# KiCad board arena_10_of_10_v1r1.kicad_pcb (continued)
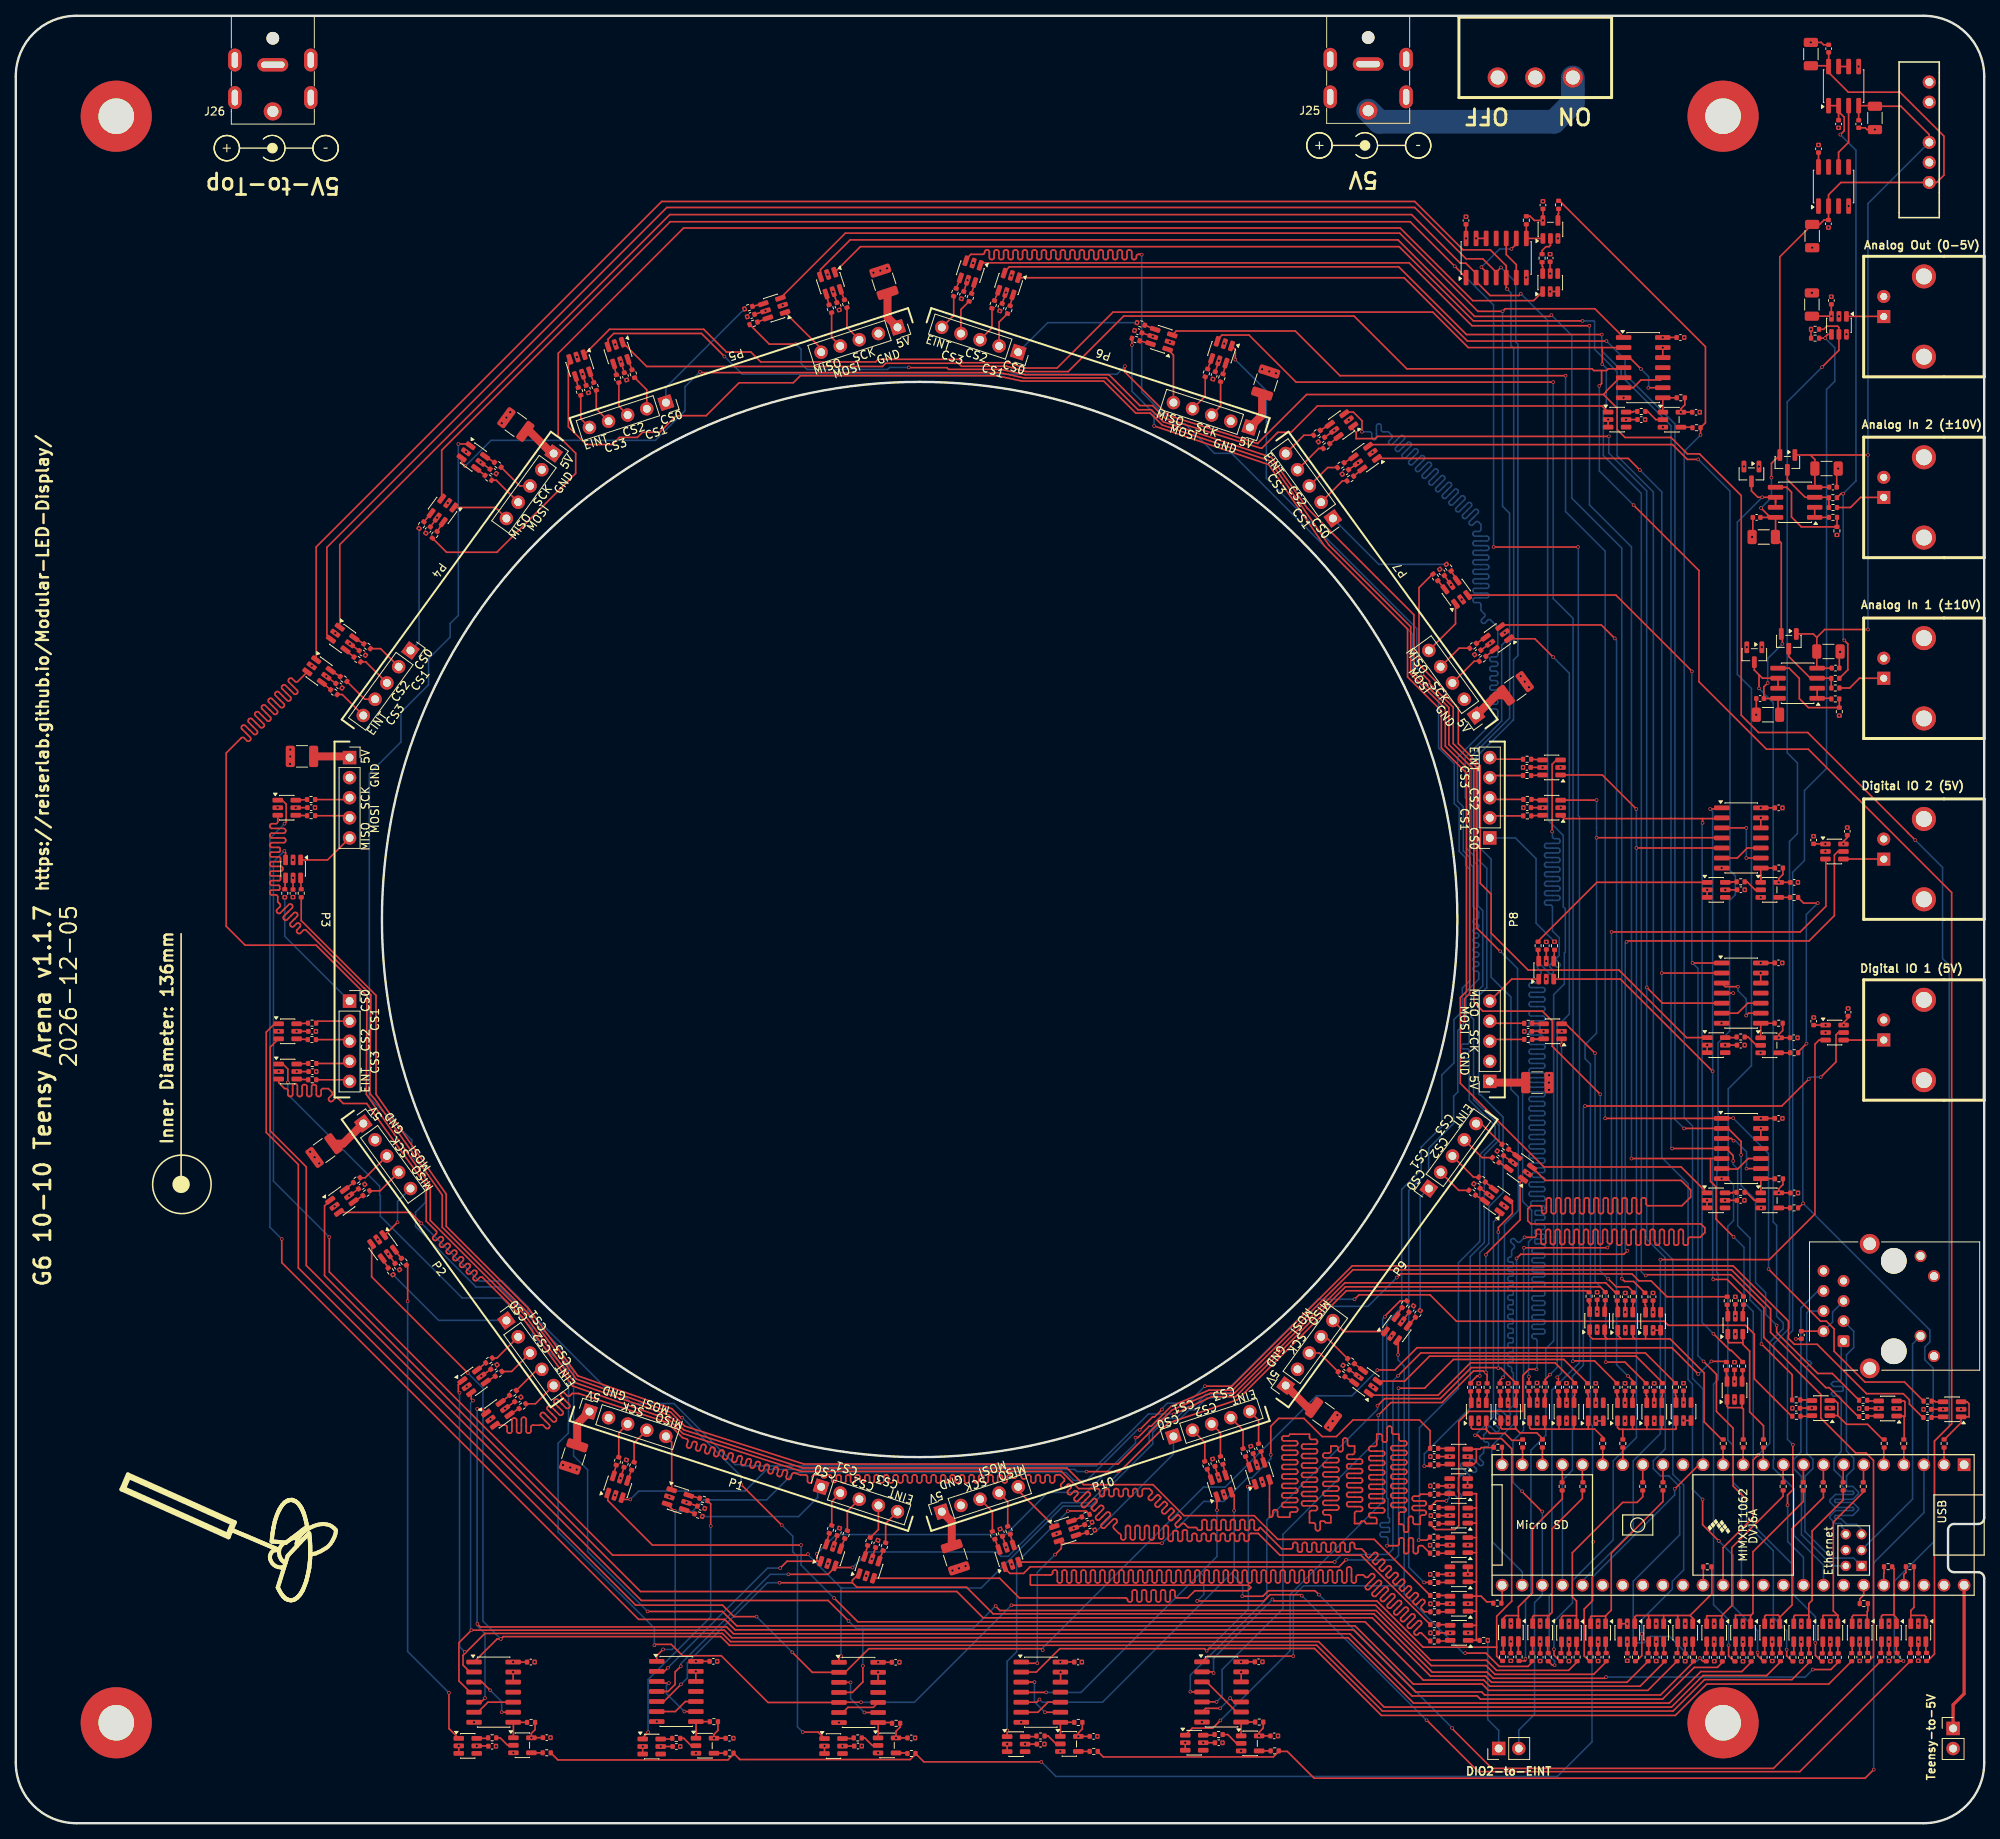
[diagram p0: board, top side]
## Nets (continued)
Net-(R43-Pad1): R43.1 U13.6
Net-(R44-Pad1): R44.1 U13.4
Net-(R45-Pad1): R45.1 U14.6
Net-(R46-Pad1): R46.1 U14.4
Net-(R47-Pad1): R47.1 U15.6
Net-(R48-Pad1): R48.1 U16.6
Net-(R49-Pad1): R49.1 U16.4
Net-(R50-Pad1): R50.1 U17.6
Net-(R51-Pad1): R51.1 U17.4
Net-(R52-Pad1): R52.1 U18.6
Net-(R53-Pad1): R53.1 U18.4
Net-(R54-Pad1): R54.1 U19.6
Net-(R55-Pad1): R55.1 U19.4
Net-(R56-Pad1): R56.1 U20.6
Net-(R57-Pad1): R57.1 U20.4
Net-(R58-Pad1): R58.1 U21.6
Net-(R59-Pad1): R59.1 U21.4
Net-(R60-Pad1): R60.1 U22.6
Net-(R61-Pad1): R61.1 U22.4
Net-(R62-Pad1): R62.1 U23.6
Net-(R63-Pad1): R63.1 U23.4
Net-(R64-Pad1): R64.1 U24.6
Net-(R65-Pad1): R65.1 U24.4
Net-(R66-Pad1): R66.1 U25.6
Net-(R67-Pad1): R67.1 U25.4
Net-(R68-Pad1): R68.1 U26.6
Net-(R69-Pad1): R69.1 U26.4
Net-(R70-Pad1): R70.1 U27.6
Net-(R71-Pad1): R71.1 U27.4
Net-(R72-Pad1): R72.1 U28.6
Net-(R73-Pad1): R73.1 U28.4
Net-(R74-Pad1): R74.1 U29.6
Net-(R75-Pad1): R75.1 U29.4
Net-(R76-Pad1): R76.1 U30.6
Net-(R77-Pad1): R77.1 U30.4
Net-(R78-Pad1): R78.1 U31.6
Net-(R79-Pad1): R79.1 U31.4
Net-(R80-Pad1): R80.1 U32.6
Net-(R81-Pad1): R81.1 U32.4
Net-(R82-Pad1): R82.1 U33.6
Net-(R83-Pad1): R83.1 U33.4
Net-(R84-Pad1): R84.1 U34.6
Net-(R85-Pad1): R85.1 U34.4
Net-(R86-Pad1): R86.1 U35.6
Net-(R87-Pad1): R87.1 U35.4
Net-(R88-Pad1): R88.1 U36.6
Net-(R89-Pad1): R89.1 U36.4
Net-(R90-Pad1): R90.1 U37.6
Net-(R91-Pad1): R91.1 U37.4
Net-(R92-Pad1): R92.1 U38.6
Net-(R93-Pad1): R93.1 U39.6
Net-(R94-Pad1): R94.1 U39.4
Net-(R95-Pad1): R95.1 U40.6
Net-(R96-Pad1): R96.1 U40.4
Net-(R97-Pad1): R97.1 U41.6
Net-(R98-Pad1): R98.1 U43.6
Net-(R99-Pad1): R99.1 U42.6
Net-(R100-Pad1): R100.1 U42.4
Net-(R101-Pad1): R101.1 U43.4
Net-(R102-Pad1): R102.1 U44.6
Net-(R103-Pad1): R103.1 U44.4
Net-(R104-Pad1): R104.1 U45.6
Net-(R105-Pad1): R105.1 U45.4
Net-(R106-Pad1): R106.1 U47.6
Net-(R107-Pad1): R107.1 U46.6
Net-(R108-Pad1): R108.1 U46.4
Net-(R109-Pad1): R109.1 U47.4
Net-(R110-Pad1): R110.1 U48.6
Net-(R111-Pad1): R111.1 U48.4
Net-(R112-Pad1): R112.1 U49.6
Net-(R113-Pad1): R113.1 U49.4
Net-(R114-Pad1): R114.1 U51.6
Net-(R115-Pad1): R115.1 U50.6
Net-(R116-Pad1): R116.1 U50.4
Net-(R117-Pad1): R117.1 U51.4
Net-(R118-Pad1): R118.1 U52.6
Net-(R119-Pad1): R119.1 U52.4
Net-(R120-Pad1): R120.1 U53.6
Net-(R121-Pad1): R121.1 U53.4
Net-(R122-Pad1): R122.1 U55.6
Net-(R123-Pad1): R123.1 U54.6
Net-(R124-Pad1): R124.1 U54.4
Net-(R125-Pad1): R125.1 U55.4
Net-(R126-Pad1): R126.1 U56.6
Net-(R127-Pad1): R127.1 U56.4
Net-(R128-Pad1): R128.1 U57.6
Net-(R129-Pad1): R129.1 U57.4
Net-(R130-Pad1): R130.1 U59.6
Net-(R131-Pad1): R131.1 U58.6
Net-(R132-Pad1): R132.1 U58.4
Net-(R133-Pad1): R133.1 U59.4
Net-(R134-Pad1): R134.1 U60.6
Net-(R135-Pad1): R135.1 U60.4
Net-(R136-Pad1): R136.1 U61.6
Net-(R137-Pad1): R137.1 U61.4
Net-(R138-Pad1): R138.1 U63.6
Net-(R139-Pad1): R139.1 U62.6
Net-(R140-Pad1): R140.1 U62.4
Net-(R141-Pad1): R141.1 U63.4
Net-(R142-Pad1): R142.1 U64.6
Net-(R143-Pad1): R143.1 U64.4
Net-(R144-Pad1): R144.1 U65.6
Net-(R145-Pad1): R145.1 U65.4
Net-(R146-Pad1): R146.1 U67.6
Net-(R147-Pad1): R147.1 U66.6
Net-(R148-Pad1): R148.1 U66.4
Net-(R149-Pad1): R149.1 U67.4
Net-(R150-Pad1): R150.1 U68.6
Net-(R151-Pad1): R151.1 U68.4
Net-(R152-Pad1): R152.1 U69.6
Net-(R153-Pad1): R153.1 U69.4
Net-(R154-Pad1): R154.1 U71.6
Net-(R155-Pad1): R155.1 U70.6
Net-(R156-Pad1): R156.1 U70.4
Net-(R157-Pad1): R157.1 U71.4
Net-(R158-Pad1): R158.1 U72.6
Net-(R159-Pad1): R159.1 U72.4
Net-(R160-Pad1): R160.1 U73.6
Net-(R161-Pad1): R161.1 U73.4
Net-(R162-Pad1): R162.1 U75.6
Net-(R163-Pad1): R163.1 U74.6
Net-(R164-Pad1): R164.1 U74.4
Net-(R165-Pad1): R165.1 U75.4
Net-(R166-Pad1): R166.1 U76.6
Net-(R167-Pad1): R167.1 U76.4
Net-(R168-Pad1): R168.1 U77.6
Net-(R169-Pad1): R169.1 U77.4
Net-(R170-Pad1): R170.1 U79.6
Net-(R171-Pad1): R171.1 U78.6
Net-(R172-Pad1): R172.1 U78.4
Net-(R173-Pad1): R173.1 U79.4
Net-(R174-Pad1): R174.1 U80.6
Net-(R175-Pad1): R175.1 U80.4
Net-(R176-Pad1): R176.1 U81.6
Net-(R177-Pad1): R177.1 U81.4
Net-(R186-Pad2): R186.2 U88.4
Net-(R187-Pad2): R187.2 U88.1 U89.8
Net-(R188-Pad1): R188.1 U88.2
Net-(R188-Pad2): R188.2 U90.6
Net-(R189-Pad2): R189.2 U92.4
Net-(R190-Pad2): R190.2 U91.8 U92.1
Net-(R191-Pad1): R191.1 U92.2
Net-(R191-Pad2): R191.2 U93.6
Net-(R192-Pad2): R192.2 U96.4
Net-(R193-Pad2): R193.2 U94.8 U96.1
Net-(R194-Pad1): R194.1 U96.2
Net-(R194-Pad2): R194.2 U97.6
Net-(R195-Pad2): R195.2 U100.4
Net-(R196-Pad2): R196.2 U95.8 U100.1
Net-(R197-Pad1): R197.1 U100.2
Net-(R197-Pad2): R197.2 U101.6
Net-(R198-Pad2): R198.2 U104.4
Net-(R199-Pad2): R199.2 U98.8 U104.1
Net-(R200-Pad1): R200.1 U104.2
Net-(R200-Pad2): R200.2 U105.6
Net-(R201-Pad2): R201.2 U108.4
Net-(R202-Pad2): R202.2 U99.8 U108.1
Net-(R203-Pad1): R203.1 U108.2
Net-(R203-Pad2): R203.2 U109.6
Net-(R204-Pad2): R204.2 U112.4
Net-(R205-Pad2): R205.2 U102.8 U112.1
Net-(R206-Pad1): R206.1 U112.2
Net-(R206-Pad2): R206.2 U113.6
Net-(R207-Pad2): R207.2 U116.4
Net-(R208-Pad2): R208.2 U103.8 U116.1
Net-(R209-Pad1): R209.1 U116.2
Net-(R209-Pad2): R209.2 U117.6
Net-(R210-Pad2): R210.2 U120.4
Net-(R211-Pad2): R211.2 U106.8 U120.1
Net-(R212-Pad1): R212.1 U120.2
Net-(R212-Pad2): R212.2 U121.6
Net-(R213-Pad2): R213.2 U124.4
Net-(R214-Pad2): R214.2 U107.8 U124.1
Net-(R215-Pad1): R215.1 U124.2
Net-(R215-Pad2): R215.2 U125.6
Net-(U1-0_RX1_CRX2_CS1): R1.2 U1.2
Net-(U1-2_OUT2): R2.2 U1.4
Net-(U1-3_LRCLK2): R3.2 U1.5
Net-(U1-4_BCLK2): R4.2 U1.6
Net-(U1-5_IN2): R5.2 U1.7
Net-(U1-6_OUT1D): R6.2 U1.8
Net-(U1-7_RX2_OUT1A): R7.2 U1.9
Net-(U1-8_TX2_IN1): R8.2 U1.10
Net-(U1-9_OUT1C): R9.2 U1.11
Net-(U1-10_CS_MQSR): R10.2 U1.12
Net-(U1-11_MOSI_CTX1): R11.2 U1.13
Net-(U1-13_SCK_LED): R24.2 U1.35
Net-(U1-21_A7_RX5_BCLK1): R23.2 U1.43
Net-(U1-22_A8_CTX1): R22.2 U1.44
Net-(U1-23_A9_CRX1_MCLK1): R21.2 U1.45
Net-(U1-24_A10_TX6_SCL2): R12.2 U1.16
Net-(U1-25_A11_RX6_SDA2): R13.2 U1.17
Net-(U1-26_A12_MOSI1): R14.2 U1.18
Net-(U1-27_A13_SCK1): R15.2 U1.19
Net-(U1-28_RX7): R16.2 U1.20
Net-(U1-29_TX7): R17.2 U1.21
Net-(U1-30_CRX3): R18.2 U1.22
Net-(U1-31_CTX3): R19.2 U1.23
Net-(U1-32_OUT1B): R20.2 U1.24
Net-(U1-33_MCLK2): R25.2 U1.25
Net-(U1-34_RX8): U1.26 U3.5
Net-(U1-36_CS): U1.28 U2.5
Net-(U83A-+): D3.3 R182.2 R184.1 U83.3
Net-(U83A--): R180.2 U83.1 U83.2
Net-(U83B-+): R178.2 R180.1 U83.5
Net-(U84-NR): C99.1 U84.8
Net-(U84-Vout): U84.6 U87.3
Net-(U86A-+): D4.3 R183.2 R185.1 U86.3
Net-(U86A--): R181.2 U86.1 U86.2
Net-(U86B-+): R179.2 R181.1 U86.5
Net-(U87B--): U87.6 U87.7
Net-(U89-Pad3): U89.3 U89.9
Net-(U89-Pad10): U89.6 U89.10
Net-(U91-Pad3): U91.3 U91.9
Net-(U91-Pad10): U91.6 U91.10
Net-(U94-Pad3): U94.3 U94.9
Net-(U94-Pad10): U94.6 U94.10
Net-(U95-Pad3): U95.3 U95.9
Net-(U95-Pad10): U95.6 U95.10
Net-(U98-Pad3): U98.3 U98.9
Net-(U98-Pad10): U98.6 U98.10
Net-(U99-Pad3): U99.3 U99.9
Net-(U99-Pad10): U99.6 U99.10
Net-(U102-Pad3): U102.3 U102.9
Net-(U102-Pad10): U102.6 U102.10
Net-(U103-Pad3): U103.3 U103.9
Net-(U103-Pad10): U103.6 U103.10
Net-(U106-Pad3): U106.3 U106.9
Net-(U106-Pad10): U106.6 U106.10
Net-(U107-Pad3): U107.3 U107.9
Net-(U107-Pad10): U107.6 U107.10

Pads without a net: J1 7 11 12; SW1 3; U1 30 31 32 33 38 39 42; U6 4; U9 4; U12 4; U15 4; U38 4; U41 4; U84 1 3 5 7; U89 11; U90 4; U91 11; U93 4; U94 11; U95 11; U97 4; U98 11; U99 11; U101 4; U102 11; U103 11; U105 4; U106 11; U107 11; U109 4; U113 4; U117 4; U121 4; U125 4

## Via types
v1: diameter 0.45, hole 0.3, Top to Bottom, 666 vias

## Routing (per net, layer and track width the routed paths; a pad name or vN(x,y) marks a point on that pad's centre or on a via; arc(x,y) is an arc through that point)
+3.3V: length 188.6
  Top w0.2: U22.5 v1(218.42,22.95) 218.42,21.44 C22.1 ; C114.1 110.78,20.35 v1(109.05,20.35) ; C133.1 193.12,202.72 U100.5 193.11,202.72 v1(193.11,202.72) 192.03,202.72 191.5,203.25 R196.1 ; 142.39,188.5 v1(143.78,188.04) U63.5 ; v1(58.29,9.78) 59.72,9.78 C113.1 ; 58.78,172.12 v1(58.78,172.12) 59.98,171.26 ; R187.1 88.79,11.73 88.29,11.23 v1(88.29,10.75) 89.76,10.75 C130.1 ; U90.5 v1(81.55,9.7) C111.1 ; v1(181.35,31.48) 181.34,31.47 C41.1 ; 86.21,40.1 U43.5 v1(84.81,40.57) ; 185.26,148.36 v1(186.44,149.24) ; U24.5 217.44,64.13 v1(217.44,64.13) 217.44,65.61 C24.1 ; v1(228.84,123.85) U3.1 228.82,123.87 C141.1 ; C35.1 233.17,21.49 v1(233.17,22.95) U35.5 ; 207.04,66.11 v1(207.04,64.63) 207.05,64.63 U9.5 ; U109.5 v1(216.15,78.78) 217.63,78.78 C121.1 ; R205.1 223.44,100.25 222.93,99.74 v1(222.93,99.35) ; C36.1 181.33,35.16 v1(181.34,35.17) ; C66.1 v1(71.67,183.28) U61.5 ; 108.72,34.87 v1(108.25,33.44) ; C118.1 210.02,187.92 v1(208.27,187.92) 208.27,187.92 U98.14 ; C13.1 203.5,54.67 v1(203.5,53.18) U13.5 ; C76.1 v1(166.73,176.16) ; U8.5 v1(203.53,64.65) 203.53,66.11 ; C5.1 211.11,21.46 v1(211.11,22.95) U5.5 ; C124.1 222.44,128.43 U103.14 v1(220.67,128.43) ; C34.1 236.88,21.48 U34.5 v1(236.87,22.95) ; 111.83,12.64 111.83,12.15 111.31,11.63 v1(111.31,10.79) C132.1 ; C78.1 v1(193.2,100.16) ; C128.1 133.84,20.39 v1(132.09,20.39) U107.14 ; U15.5 v1(210.9,53.21) 210.9,54.69 C15.1 ; U14.5 v1(207.19,53.19) C14.1 ; v1(227.02,188.95) 227.02,187.84 R26.1 ; C80.1 v1(193.09,128.44) ; U55.5 v1(53.28,165.13) 52.42,163.95 ; v1(228.87,100.95) 227.37,100.95 C140.1 ; C88.1 v1(125.23,34.89) ; U95.14 v1(183.39,200.45) C116.1 ; 217.68,118.06 217.67,118.05 v1(216.18,118.05) ; 76.92,45.04 v1(76.47,43.63) U42.5 ; 179.9,38.91 v1(181.34,38.91) ; C50.1 v1(58.87,56.55) U48.5 ; U20.5 v1(225.78,22.95) 225.78,21.44 225.79,21.43 ; v1(150.16,10.18) 151.63,10.18 C127.1 ; C40.1 v1(181.35,27.75) U40.5 ; U30.5 v1(188.71,53.19) 188.71,54.65 C30.1 ; v1(220.68,89.15) C120.1 ; R202.1 223.47,80.77 222.94,80.24 v1(222.94,79.73) ; C81.1 v1(193.08,133.53) ; C137.1 224.4,119 v1(222.94,119) 222.94,119.48 223.47,120.01 223.47,120.81 ; C54.1 U51.5 v1(35.06,119.57) ; 168.62,57.34 v1(169.82,56.48) ; v1(181.32,42.63) 181.3,42.66 C38.1 ; v1(222.94,79.73) 222.94,79.73 U108.5 ; v1(222.94,79.73) 224.4,79.73 C135.1 ; U11.5 196.11,53.19 v1(196.11,53.18) 196.11,54.67 C11.1 ; C10.1 192.4,54.68 v1(192.4,53.2) U10.5 ; C21.1 222.11,21.48 v1(222.11,22.95) ; U47.5 v1(47.1,71.99) C49.1 ; D1.2 v1(218.54,171.6) ; v1(222.93,99.35) U112.5 ; v1(222.93,99.35) 224.35,99.35 C136.1 ; C91.1 v1(156.93,45.32) ; U59.5 v1(94.8,191.29) C64.1 ; 76.95,183.45 v1(76.5,184.86) 76.5,184.86 ; v1(194.04,196) 194.03,196.01 C117.1 ; C85.1 v1(186.35,79.43) ; v1(175.31,63.47) 176.19,64.65 ; U29.5 189.06,22.99 v1(189.06,22.99) C29.1 ; C23.1 214.77,21.46 U23.5 214.77,22.96 v1(214.77,22.96) ; R214.1 134.88,11.93 134.37,11.42 v1(134.37,10.97) U124.5 135.81,10.98 C139.1 ; v1(207.44,22.95) U4.5 C4.1 ; C31.1 185,54.66 v1(185,53.18) U31.5 ; C53.1 v1(35.4,128.44) ; 151.68,183.57 v1(152.13,184.97) ; D2.2 v1(218.9,148.75) ; v1(203.79,22.95) C6.1 ; U18.5 227.12,52.51 v1(227.12,52.51) 225.65,52.51 C18.1 ; C75.1 v1(169.73,172.05) ; U17.5 235.57,52.46 v1(235.57,52.46) 234.08,52.46 C17.1 ; C27.1 196.42,21.47 v1(196.42,22.93) ; C56.1 v1(35.52,95.07) ; U19.5 229.45,22.95 v1(229.44,22.94) 229.44,21.47 C19.1 ; C39.1 181.38,24.07 v1(181.38,24.08) ; U32.5 v1(181.33,46.37) C32.1 ; C7.1 199.98,66.19 U7.5 v1(199.97,64.7) ; v1(192.76,22.97) 192.76,21.48 C28.1 ; C70.1 v1(125.2,193.6) ; U26.5 200.1,22.95 v1(200.09,22.95) 200.09,21.48 C26.1 ; v1(181.5,156.62) U67.5 C74.1 ; C51.1 v1(61.87,52.44) 61.87,52.44 ; C131.1 v1(65.2,10.81) 65.2,11.37 65.67,11.84 R190.1 ; C129.1 v1(127.63,10) ; U46.5 v1(42.16,79.36) 43.34,80.24 ; C63.1 v1(103.37,193.71) ; C16.1 242.22,52.35 v1(243.72,52.35) U16.5 ; C12.1 199.8,54.67 v1(199.8,53.18) U12.5 ; 151.65,45.15 v1(152.09,43.74) ; v1(220.67,108.8) 222.42,108.8 C122.1 ; C134.1 211.99,178.47 U104.5 v1(210.56,178.47) 210.56,178.89 211.06,179.39 R199.1 ; v1(104.54,9.75) C115.1 ; v1(240.59,22.96) U33.5 C33.1 ; C79.1 v1(193.54,109.04) ; v1(103.4,35) C45.1 ; C55.1 v1(35.51,100.16) ; R211.1 157.75,12.03 157.26,11.54 157.26,11.48 157.23,11.45 U120.5 157.22,11.05 v1(157.22,11.05) 158.65,11.05 C138.1 ; C60.1 v1(42.25,149.17) ; C61.1 v1(39.27,145.05) ; C86.1 v1(189.34,83.55) ; C119.1 U105.5 v1(203.63,177.53) ; 119.88,193.73 v1(120.35,195.16) ; C25.1 217.34,57.34 v1(217.34,55.88) 217.35,55.88 217.35,55.88 ; v1(86,20.47) C110.1 ; v1(216.17,98.41) C123.1 ; v1(133.78,37.32) C89.1 ; v1(62.9,20.39) C112.1 ; v1(154.95,20.41) C126.1
+5V: length 54.4
  Top w0.2: v1(229.6,190.59) U85.3 229.59,190.6 ; 227.13,190.61 229.58,190.61 229.59,190.6 ; 229.59,190.6 C98.1 ; v1(231.14,100.95) 231.14,101.27 231.71,101.84 C2.1 ; v1(231.12,123.85) 231.12,124.18 231.61,124.67 C3.1
  Top w1: J19.1 186.54,93.67 C77.2 ; J7.1 41.39,85.94 C47.2 ; C72.2 187.21,142.66 J17.1 ; C82.2 163.38,52.56 J21.1 ; C67.2 157.6,178.08 J15.1 ; C62.2 110.24,190.46 J13.1 ; C52.2 42.06,134.93 J9.1 ; C42.2 71,50.52 J5.1 ; C87.2 118.36,38.14 J23.1 ; C57.2 64.99,176.04 67.79,173.24
+15V: length 119
  Top w0.2: 222.53,162.69 C96.1 ; 222.53,162.69 C96.1 ; 222.53,162.69 222.54,162.69 222.54,165.16 ; C96.1 223.26,161.94 D4.2 223.4,150.28 v1(223.4,149.16) ; C94.1 221.58,165.16 ; 221.58,165.16 221.58,165.47 v1(220.7,166.34) ; 221.58,165.16 222.53,165.16 222.53,165.16 ; v1(221.54,144.22) 221.06,143.73 C101.1 222.82,142.25 U86.8 222.85,140.4 C103.1 ; v1(222.02,170.19) 222.02,171.99 D3.2 223.08,198.13 C92.1 228.11,202.22 228.67,202.78 C93.1 229.24,202.79 U84.2 229.24,205.96 230.8,207.52 U82.6 242.91,207.52 243.83,208.44 243.83,213.38 238.27,218.94 231.74,218.94 229.24,221.45 U87.8 ; 222.53,165.16 222.54,165.16 ; 222.53,165.16 222.54,165.16 ; C105.1 229.25,222.21 U87.8 ; U87.8 229.13,222.29 C108.1
  Bottom w0.2: v1(221.54,144.22) 221.54,147.31 v1(223.4,149.16) ; v1(220.7,166.34) 222.02,167.66 v1(222.02,170.19)
-15V: length 108.9
  Top w0.2: 227.75,149.98 227.31,150.42 D4.1 ; 227.75,149.98 C104.1 227.75,146.14 U86.4 229.63,146.09 C102.1 ; 227.75,149.98 228.75,150.98 v1(234.22,150.98) ; U83.4 229.3,168.97 229.3,168.98 ; U83.4 227.49,168.97 ; U83.4 227.49,168.97 ; 229.3,168.98 C95.1 229.3,168.98 ; 227.49,168.97 227.51,169 C97.1 227.51,172.48 226.94,173.05 ; C106.1 233.05,215.41 U87.4 235.03,217.24 C109.1 238.39,217.16 241.97,213.58 U82.4 ; 226.94,173.05 v1(234.22,173.05) ; 226.94,173.05 D3.1
  Bottom w0.2: v1(234.22,150.98) v1(234.22,173.05) 234.22,204.85 U82.4
/Analog IO/10V_REF: length 78.4
  Top w0.2: 230.5,216.25 U87.2 U87.1 ; 230.5,216.25 C107.1 ; 230.5,216.25 230.74,216.25 231.22,215.78 231.22,214.06 v1(230.73,213.57) ; R182.1 230.82,168.17 v1(231.08,168.17) ; v1(231.23,149.6) 231.68,149.16 231.68,145.88 R183.1
  Bottom w0.2: v1(231.23,149.6) 231.08,149.75 v1(231.08,168.17) 232.69,169.78 232.7,169.78 232.7,211.6 v1(230.73,213.57)
/Teensy/VIN: length 18.7
  Top w0.4: U1.48 246.38,16.37 244.99,14.98 J2.1
GND: length 44.6
  Top w0.2: 48.52,70.01 v1(48.52,70.01) ; U20.2 v1(225.79,25.23) ; 188.28,150.58 v1(188.29,150.58) ; 104.13,191.4 v1(104.12,191.4) ; U40.2 v1(183.63,27.76) ; C125.2 v1(218.63,118.06) ; U36.2 v1(183.62,35.18) ; U79.2 v1(131.62,36.61) ; U124.3 v1(132.09,9.08) ; C94.2 219.66,162.77 C96.2 v1(219.57,162.68) ; C123.2 v1(218.64,98.41) ; U76.2 v1(188.18,78.1) ; 171.57,173.39 v1(171.57,173.39) ; v1(178.84,35.16) 178.84,35.16 C36.2 ; C27.2 v1(196.41,20.5) ; C116.2 v1(183.38,203.19) ; C129.2 v1(130.07,10) ; 41.26,143.59 v1(41.25,143.59) ; v1(106.98,9.76) C115.2 ; U117.3 213.89,117.11 v1(213.89,118.05) U117.2 ; 124.47,37.2 v1(124.47,37.2) ; v1(183.65,24.08) 183.66,24.08 U39.2 ; v1(240.58,20.54) 240.58,20.54 C33.2 ; 145.95,187.33 v1(145.94,187.34) ; U38.2 v1(183.59,42.63) 183.59,43.57 U38.3 ; U75.2 v1(173.97,61.63) ; C38.2 178.88,42.66 v1(178.87,42.66) ; U25.2 v1(217.34,53.6) ; 136.1,38.06 v1(136.09,38.06) ; U103.12 220.67,125.89 v1(220.67,127.16) 220.68,127.16 ; U33.2 240.6,25.24 v1(240.59,25.24) ; C137.2 225.37,119 v1(225.36,119) ; 199.97,67.16 v1(199.97,67.16) ; 72.42,180.93 v1(72.42,180.93) ; 147.88,10.18 v1(147.88,10.18) 147.88,9.24 147.88,9.23 ; C34.2 v1(236.88,20.53) ; U85.6 v1(231.5,188.32) ; U107.12 132.12,17.86 v1(132.12,19.1) 132.11,19.11 U107.13 ; U12.2 v1(199.81,50.89) 200.74,50.89 U12.3 ; v1(196.1,55.66) 196.1,55.66 C11.2 ; U23.2 v1(214.77,25.23) ; U65.2 v1(121.06,197.33) ; C29.2 v1(189.05,20.53) ; C110.2 v1(88.69,20.47) ; U94.13 v1(109.04,19.09) 109.04,17.82 U94.12 ; U53.2 v1(33.24,95.08) ; 152.83,187.14 v1(152.83,187.14) ; 227,225.24 227,225.24 v1(226.99,225.24) 228.31,225.24 228.62,224.94 C105.2 ; U113.3 213.89,97.47 v1(213.89,98.41) U113.2 ; 210.9,50.93 210.89,50.93 v1(210.89,50.93) 211.85,50.93 211.85,50.93 ; U41.3 183.62,32.42 v1(183.62,31.48) U41.2 ; 152.8,41.58 v1(152.79,41.58) ; U102.12 220.66,106.27 v1(220.66,107.53) U102.13 ; 136.78,10.98 v1(136.78,10.98) ; C90.2 v1(151.35,46.07) ; C68.2 v1(151.39,182.65) ; 102.66,195.87 v1(102.66,195.87) ; v1(218.42,20.48) C22.2 ; U89.12 85.99,17.94 v1(85.99,19.2) U89.13 ; v1(192.4,50.91) 192.39,50.92 192.39,50.93 ; C56.2 v1(37.99,95.06) ; C80.2 v1(190.65,128.43) ; C70.2 v1(124.42,191.25) ; U104.3 v1(208.29,176.57) ; C78.2 v1(190.77,100.15) ; C23.2 v1(214.79,20.49) ; U31.2 v1(185.02,50.92) ; 60.85,57.98 v1(60.85,57.98) ; C30.2 v1(188.72,55.63) ; 213.88,77.83 U109.2 v1(213.87,78.78) ; U57.2 v1(37.42,146.39) ; U105.3 201.36,176.59 v1(201.36,177.54) 201.37,177.54 U105.2 ; v1(183.6,46.37) 183.6,46.37 U32.2 ; C126.2 v1(157.64,20.42) ; U13.2 v1(203.5,50.88) ; C141.2 v1(227.35,124.83) ; v1(212.94,178.47) 212.95,178.46 C134.2 ; U28.2 v1(192.76,25.25) ; U100.3 195.02,200.45 v1(195.02,200.45) ; C122.2 v1(223.38,108.81) ; U92.3 v1(62.92,8.91) ; U55.2 v1(54.62,166.97) ; C13.2 v1(203.5,55.64) ; v1(229.46,25.23) 229.46,25.23 U19.2 ; v1(111.74,20.36) C114.2 ; 70.97,185.44 v1(70.96,185.45) ; U101.3 194.99,193.73 v1(194.04,193.73) U101.2 ; U6.2 v1(203.79,25.23) 202.85,25.23 U6.3 ; v1(211.11,20.5) 211.12,20.5 C5.2 ; C9.2 v1(207.04,67.07) ; C127.2 v1(152.6,10.18) ; C18.2 v1(224.66,52.49) ; U85.2 v1(230.55,190.59) ; C10.2 v1(192.37,55.69) ; C140.2 v1(227.36,101.91) ; U44.2 v1(102.69,32.84) ; U102.7 v1(215.7,101.18) ; v1(223.41,89.14) 223.4,89.15 C120.2 ; v1(56.01,9.78) U93.2 U93.3 ; U99.7 v1(215.72,81.53) ; v1(79.28,9.7) 79.28,9.7 79.28,8.75 ; C85.2 v1(184.38,80.87) ; C31.2 v1(184.99,55.63) ; 82.65,41.27 v1(82.65,41.27) ; v1(207.43,25.23) 207.44,25.22 U4.2 ; v1(222.12,20.51) C21.2 ; U98.12 U98.13 v1(208.27,186.64) ; v1(227.96,212.27) 227.96,212.27 C99.2 ; 207.07,62.35 U9.3 ; 207.07,62.35 v1(207.08,62.34) ; 207.07,62.35 U9.2 ; 166.56,50.83 v1(166.53,50.86) ; C46.2 v1(109.01,35.78) ; v1(199.97,62.42) 199.97,62.42 U7.2 ; C69.2 v1(141.47,188.8) ; C3.2 v1(231.61,125.94) ; U116.3 v1(220.66,117.1) ; U26.2 v1(200.1,25.23) ; U103.7 v1(215.72,120.81) ; C81.2 v1(190.6,133.54) ; C58.2 v1(60.75,170.7) ; v1(220.65,97.45) 220.65,97.45 U112.3 ; C107.2 v1(230.5,214.44) ; C1.2 225.11,61.27 v1(225.1,61.26) ; C62.1 v1(109.33,196.37) ; v1(113.72,10.79) C132.2 ; U88.3 v1(86.01,8.85) ; 125.94,32.73 v1(125.93,32.73) ; 220.68,77.83 220.69,77.83 v1(220.7,77.82) ; C92.2 v1(227.17,199.28) ; C59.2 v1(51.85,163.17) ; U8.2 v1(203.53,62.37) ; v1(217.34,58.31) C25.2 ; C84.2 v1(176.75,65.44) ; U52.2 v1(33.23,100.16) ; 171.66,55.15 v1(171.65,55.15) ; U59.2 v1(96.98,191.99) ; C79.2 v1(193.55,111.47) ; U64.2 v1(125.9,195.76) ; C35.2 v1(233.18,20.52) ; 190.81,144.39 v1(190.81,144.39) ; U29.2 v1(189.06,25.26) ; C133.2 v1(193.12,205.13) ; C54.2 v1(35.05,117.13) ; v1(188.71,50.92) 188.72,50.92 U30.2 ; 220.68,86.61 220.67,86.61 v1(220.67,87.88) U99.13 ; 195.48,100.16 v1(195.5,100.15) ; U125.3 U125.2 v1(125.36,10.01) ; U21.2 v1(222.11,25.23) ; 70.09,44.98 70.1,44.98 v1(70.11,44.99) ; C102.2 230.6,148.05 v1(230.7,148.15) C104.2 ; v1(196.43,25.22) 196.42,25.21 U27.2 ; 180.08,158.59 v1(180.07,158.6) ; U91.12 62.89,17.85 v1(62.89,19.12) 62.89,19.12 U91.13 ; v1(220.43,171.6) 220.44,171.6 D1.1 ; C118.2 v1(210.99,187.92) ; C4.2 v1(207.44,20.51) ; v1(34.71,134.92) 34.71,134.92 C52.1 ; U107.7 v1(127.14,12.77) ; 35.06,121.84 v1(35.06,121.84) ; C14.2 v1(207.19,55.63) ; U56.2 v1(40.4,150.51) ; C136.2 v1(225.32,99.35) ; C8.2 v1(203.53,67.07) ; C71.2 v1(119.58,192.82) ; v1(228.84,122.91) 228.85,122.91 U3.2 ; R179.1 v1(230.6,140.1) ; C138.2 v1(159.61,11.05) ; C101.2 v1(220.1,140.2) ; C53.2 v1(37.83,128.45) ; 45.77,73.82 v1(45.77,73.83) ; v1(37.78,84.22) 37.79,84.21 37.79,84.21 ; R178.1 v1(230.3,162.93) ; 56.94,173.45 v1(56.94,173.46) ; v1(62.04,177.79) 62.04,177.79 62.04,177.77 ; v1(184.66,200.45) U95.12 ; 57.03,55.21 v1(57.03,55.22) ; v1(230.45,171.34) 230.45,171.34 C97.2 230.27,171.15 C95.2 ; C124.2 v1(223.41,128.42) ; v1(57.94,12.77) 57.94,12.77 U91.7 ; 158.51,183.62 v1(158.51,183.62) ; C113.2 v1(60.74,9.72) ; C100.2 v1(227.13,193.56) ; C15.2 v1(210.89,55.65) ; C24.2 v1(217.45,66.58) ; v1(109.03,8.89) 109.03,8.89 U96.3 ; C60.2 v1(44.21,147.73) ; U72.2 v1(195.37,128.45) ; C121.2 v1(218.6,78.78) ; v1(235.1,214.22) 235.11,214.22 C109.2 234.11,214.21 233.88,214.44 C106.2 ; C130.2 v1(90.76,10.74) ; U84.4 v1(231.77,204.54) ; 193.54,106.77 v1(193.53,106.77) ; U5.2 v1(211.11,25.23) ; U11.2 v1(196.1,50.9) ; U106.7 v1(149.99,12.79) ; 157.63,43.16 v1(157.63,43.16) ; C128.2 v1(134.81,20.38) ; C83.2 v1(167.83,57.9) ; 182.83,154.78 v1(182.83,154.78) ; U106.12 154.96,17.88 v1(154.96,19.11) 154.95,19.12 U106.13 ; U97.3 102.27,8.81 v1(102.27,9.76) U97.2 ; C41.2 178.87,31.47 v1(178.86,31.48) ; U2.2 v1(228.86,100) ; U45.2 v1(107.54,31.28) ; U77.2 v1(191.18,82.22) ; 40.31,78.03 v1(40.31,78.02) ; U35.2 v1(233.17,25.23) ; C87.1 119.27,32.24 v1(119.27,32.24) ; C65.2 v1(77.25,182.54) ; C45.2 v1(104.16,37.32) ; U14.2 v1(207.21,50.89) ; U120.3 v1(154.95,9.15) ; U95.7 v1(191,195.51) ; C17.2 v1(233.1,52.45) ; C55.2 v1(37.95,100.15) ; C32.2 v1(178.88,46.37) ; C98.2 v1(229.59,193.08) ; C26.2 v1(200.09,20.51) ; C77.1 v1(193.88,93.67) ; U18.2 v1(229.39,52.51) ; C119.2 v1(206.03,177.53) ; U98.7 v1(203.32,180.29) ; 187.34,85.01 v1(187.34,85.02) ; C51.2 v1(63.87,53.88) ; C43.2 v1(77.21,45.95) ; C44.2 v1(87.12,39.81) ; 183.62,38.91 v1(183.61,38.91) ; 75.8,187.03 v1(75.8,187.03) ; D2.1 v1(220.8,148.75) ; C37.2 v1(178.93,38.91) ; C20.2 v1(225.79,20.47) ; C76.2 v1(164.72,174.72) ; 75.77,41.47 v1(75.77,41.47) ; U89.7 v1(81.05,12.86) ; C12.2 v1(199.79,55.64) ; C19.2 v1(229.46,20.5) ; 229.22,201.82 v1(229.22,201.82) ; U87.5 v1(233.04,222.19) ; C135.2 v1(225.38,79.71) ; C117.2 v1(194.03,198.46) ; 92.5,190.54 v1(92.5,190.54) ; 156.18,47.67 v1(156.17,47.68) ; 167.75,170.62 v1(167.74,170.63) ; C28.2 v1(192.77,20.5) ; U50.2 v1(33.11,128.45) ; U22.2 v1(218.42,25.23) ; U34.2 v1(236.87,25.23) ; U17.2 v1(237.85,52.46)
  vias: v1(34.71,135.8) v1(34.67,133.98) v1(37.22,84.93) v1(38.38,83.45) v1(44.12,80.8) v1(60.03,51.1) v1(61.45,177.08) v1(62.53,178.48) v1(65.61,20.38) v1(67.62,10.82) v1(69.2,45.3) v1(70.93,44.73) v1(84.02,9.7) v1(104.1,12.73) v1(108.45,196.1) v1(110.18,196.65) v1(118.45,31.95) v1(120.1,32.53) v1(157.6,183.9) v1(159.35,183.38) v1(165.97,50.05) v1(167.12,51.63) v1(168.57,177.5) v1(178.89,27.75) v1(178.89,24.07) v1(184.48,147.8) v1(190.3,145.08) v1(191.35,143.68) v1(193.9,94.6) v1(193.89,92.75) v1(195.35,133.53) v1(203.79,20.54) v1(217.45,61.85) v1(231.71,103.05) v1(241.25,52.34) v1(246,52.35)
/Analog IO/A0_5V: length 6.1
  Top w0.2: R185.2 231.91,143.58 233.15,144.82 233.16,144.81 J29.1
/Analog IO/A1_5V: length 6.4
  Top w0.2: J28.1 233.29,167.69 232.01,166.41 R184.2
/Analog IO/AIN.A0: length 125.3
  Top w0.2: v1(220.35,46.6) 219.71,45.96 219.71,38.67 215.9,34.86 U1.36 ; U86.7 U86.6 220.88,144.82 220.47,145.23 ; v1(220.44,143.53) 220.44,145.2 220.47,145.23 ; 220.47,145.23 219.85,145.85 D2.3
  Bottom w0.2: v1(220.44,143.53) 222.23,141.74 222.23,76.05 222.68,75.61 222.68,64.1 223.5,63.28 223.5,62.54 221.8,60.84 221.8,48.06 v1(220.35,46.6)
/Analog IO/AIN.A1: length 148.7
  Top w0.2: 222.54,167.7 v1(220.85,167.7) 220.3,167.7 219.49,168.51 D1.3 ; 222.54,167.7 222.54,167.07 ; 222.54,167.7 222.54,167.07 ; 222.54,167.07 222.54,166.43
  Bottom w0.2: U1.37 218.23,30.31 218.23,42.04 217.11,43.15 217.11,47.83 216.5,48.45 216.5,75.5 217.23,76.23 217.23,80.78 216.56,81.44 216.56,92.88 219.49,95.81 219.49,143.52 217.7,145.31 217.7,164.55 v1(220.85,167.7)
/Analog IO/AOUT: length 4.7
  Top w0.2: J27.1 236.19,190.59 U85.1
/Analog IO/I2C.SCL: length 169
  Top w0.2: v1(228.41,184.17) 230.55,186.3 U85.5 230.55,189.18 230.38,189.35 229.02,189.35 228.62,188.95 R27.2
  Bottom w0.2: v1(228.41,184.17) 224.01,179.76 224.01,135.39 225.3,134.1 225.3,125.18 224.3,124.18 224.3,62.62 222.32,60.64 222.32,46.04 222.25,45.97 222.25,44.9 224.86,42.29 224.86,36.39 228.6,32.65 U1.41
/Analog IO/I2C.SDA: length 164
  Top w0.2: 228.65,187.83 v1(228.81,187.83) ; 228.65,187.83 229.13,188.31 U85.4 ; 228.65,187.83 R26.2 ; v1(224.73,47.88) 224.73,46.15 224.73,46.15 224.73,42.18 224.05,41.5 v1(224.05,40.23)
  Bottom w0.2: v1(224.73,47.88) 224.05,48.55 224.05,61.66 224.7,62.31 224.7,120.27 226.19,121.76 226.19,130.61 228.99,133.41 228.99,181.34 230.02,182.38 230.02,186.62 v1(228.81,187.83) ; U1.40 226.06,33.63 224.07,35.62 224.07,40.2 v1(224.05,40.23)
/Fan Out/PAN.CS_00_P1: length 203.2
  Top w0.2: v1(144.95,52.33) 144,51.38 143.75,51.38 v1(142.12,49.75) ; v1(81.85,21.98) 81.05,21.18 U89.1 ; U43.3 83.21,39.51 v1(83.32,39.51) ; R48.2 241.15,51.32 239.46,53.01 239.46,53.55 238.68,54.33 234.04,54.33 227.79,60.57 224.91,60.57 224.17,61.31 224.17,63.5 217.17,70.49 169,70.49 153.78,55.28 v1(150.38,55.28)
  Bottom w0.2: v1(142.12,49.75) 141.82,49.75 135.43,43.35 133.72,43.35 133.72,43.43 132.8,44.35 98.4,44.35 94.94,40.9 87.02,40.9 85.57,39.45 83.39,39.45 ; v1(150.38,55.28) 148.22,53.13 145.62,53.13 145,52.5 145,52.38 v1(144.95,52.33) ; v1(81.85,21.98) 82.97,21.97 83.39,22.38 83.39,39.45 ; v1(83.32,39.51) 83.39,39.45
/Fan Out/PAN.CS_00_P6: length 213.6
  Top w0.2: v1(200.99,89.15) 215.73,89.15 215.75,89.17 v1(217.18,89.17) ; v1(221.65,70.07) 228.22,63.5 228.96,63.5 229.93,62.52 229.93,59.7 233.84,55.8 238.84,55.8 R49.2 ; v1(195.98,183.08) 167.46,183.08 161.8,188.74 146.75,188.74 U63.3
  Bottom w0.2: v1(221.65,70.07) 221.65,84.69 v1(217.18,89.17) ; v1(195.98,183.08) 195.98,165.89 200.99,160.88 v1(200.99,89.15)
/Fan Out/PAN.CS_01_P1: length 183.6
  Top w0.2: 101.29,33.13 97.53,33.13 v1(96.66,32.26) ; 101.29,33.13 v1(101.29,34.06) ; 101.29,33.13 U44.1 ; v1(82.47,19.66) 82.01,19.2 U89.2 ; R50.2 232.99,51.43 229.33,55.09 228.9,55.09 221.91,62.08 221.91,65.05 216.97,69.99 169.09,69.99 153.88,54.78 150.88,54.78 146.1,52.73 143.6,50.23 143.35,50.23 141.9,48.78 v1(141.6,48.78)